# KiCad board ardumower mega shield svn.kicad_pcb
title: Ardumower shield SVN Version; date: 2021-01-07; rev: 1.4; company: ML AG JL UZ
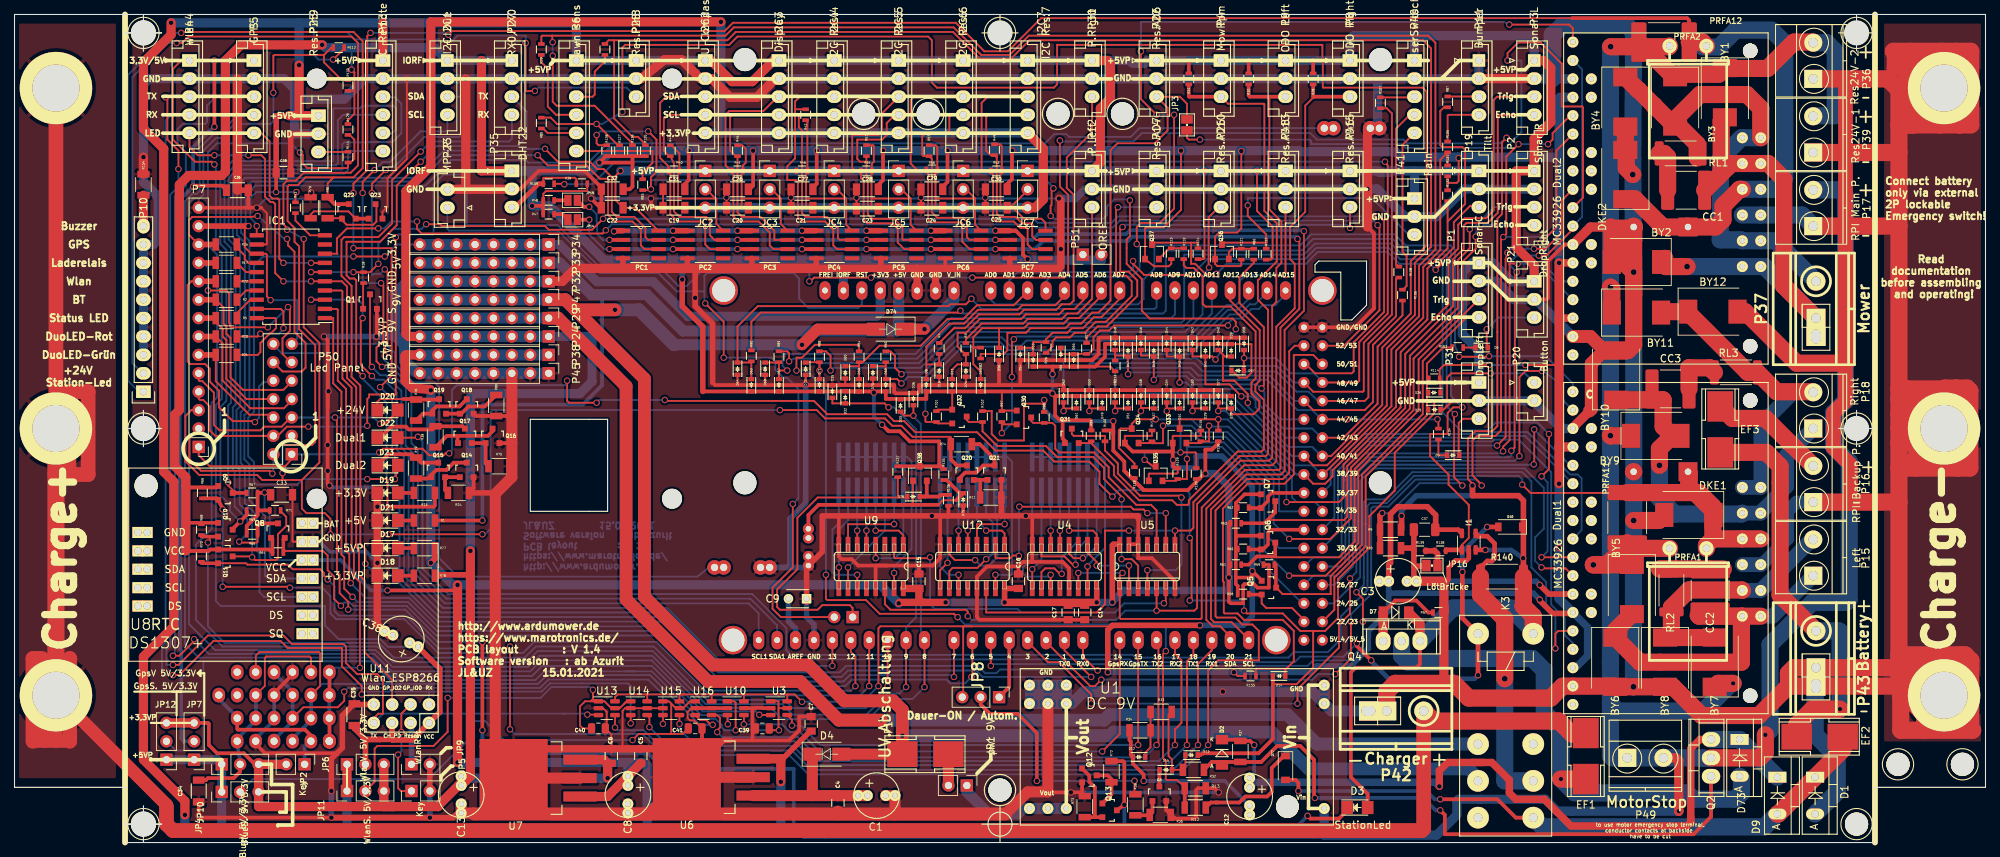
[diagram p0: board, top side]
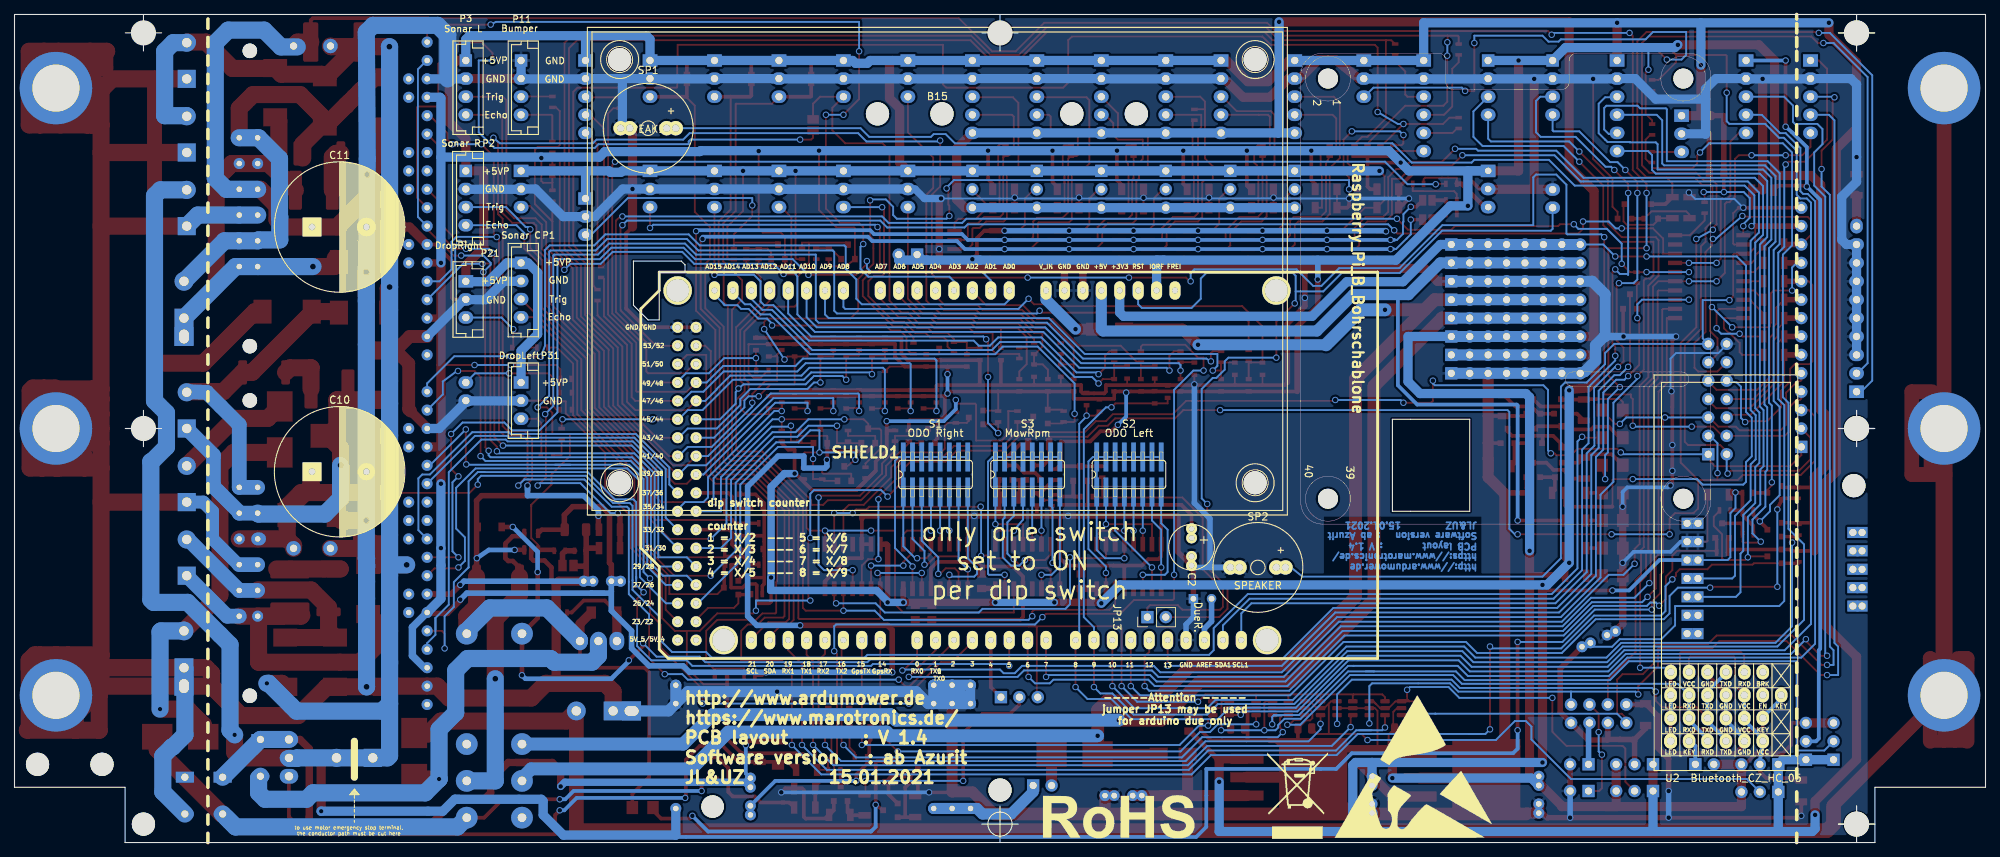
[diagram p1: board, bottom side, seen from below]

Outline 271.78 x 114.3 mm; copper layers: Top, Bottom. Coordinates in mm from the lower left corner of the outline.
Outline path: 0,114.3 271.78,114.3 271.78,7.62 256.54,7.62 256.54,0 15.24,0 15.24,7.62 0,7.62 0,114.3 ; 71.12,58.42 71.12,45.72 81.79,45.72 81.79,58.42 71.12,58.42 ; 179.32,79.76 179.83,80.26 186.44,80.26 186.44,74.17 184.4,72.14 182.88,72.14 182.88,78.74 179.32,78.74 179.32,79.76
Stack: Top 0.035mm / dielectric 1.51mm FR4 er 4.5 / Bottom 0.035mm

## Placement (name value [footprint] x y rotation side)
B1  -  [Bohrloch_3,2mm]  17.78 111.76 0 top
B2  -  [Bohrloch_3,2mm]  17.78 57.15 0 top
B3  -  [Bohrloch_3,2mm]  17.78 2.54 0 top
B4  -  [Bohrloch_3,2mm]  135.89 111.76 0 top
B5  -  [Bohrloch_3,2mm]  135.89 7.24 0 top
B6  -  [Bohrloch_3,2mm]  254 111.76 0 top
B7  -  [Bohrloch_3,2mm]  254 57.15 0 top
B8  -  [Bohrloch_3,2mm]  254 2.54 0 top
B9  -  [Bohrloch_6,5mm]  5.71 104.14 0 top
B10  -  [Bohrloch_6,5mm]  5.71 57.15 0 top
B11  -  [Bohrloch_6,5mm]  5.71 20.32 0 top
B12  -  [Bohrloch_6,5mm]  266.06 104.14 0 top
B13  -  [Bohrloch_6,5mm]  266.06 57.15 0 top
B14  -  [Bohrloch_6,5mm]  266.06 20.32 0 top
B15  -  [BumperDuino_Bohrschablone]  144.53 78.87 0 bottom
B16  Raspberry_Pi_B_Bohrschablone  [Raspberry_Pi_B_Bohrschablone_Rueckseite]  66.17 76.45 270 top
B17  -  [Bohrloch_3,2mm]  259.72 10.79 0 top
B18  -  [Bohrloch_3,2mm]  268.61 10.79 0 top
B19  -  [Bohrloch_3,2mm]  125.98 100.58 0 top
B20  -  [Bohrloch_3,2mm]  143.89 100.58 0 top
B21  -  [Bohrloch_3,2mm]  152.78 100.58 0 top
B22  -  [Bohrloch_3,2mm]  117.09 100.58 0 top
B23  Mülleimer  [WEEE-Logo_8.4x12mm_SilkScreen]  94.87 6.48 180 bottom
B24  Rohos  [RoHS-Logo_6mm_SilkScreen]  119.51 3.56 180 bottom
BY1  S5MC-13-F  [D_SMC]  235.84 103.5 270 top
BY2  S5MC-13-F  [D_SMC]  223.65 80.14 180 top
BY3  S5MC-13-F  [D_SMC]  228.98 102.23 270 top
BY4  S5MC-13-F  [D_SMC]  222.12 102.23 270 top
BY5  S5MC-13-F  [D_SMC]  223.01 34.92 270 top
BY6  S5MC-13-F  [D_SMC]  220.73 24.89 270 top
BY7  S5MC-13-F  [D_SMC]  234.44 24.89 90 top
BY8  S5MC-13-F  [D_SMC]  227.58 24.89 270 top
BY9  S5MC-13-F  [D_SMC]  226.31 56.13 0 top
BY10  S5MC-13-F  [D_SMC]  220.85 64.52 90 top
BY11  S5MC-13-F  [D_SMC]  223.65 73.15 0 top
BY12  S5MC-13-F  [D_SMC]  234.19 73.28 0 top
C1  22uF / 63V  [Elko_vert_11.2x6.3mm_RM2.5_RM5.0]  117.6 6.48 0 top
C2  47uF  [Elko_vert_11.2x6.3mm_RM2.5_RM5.0]  109.47 42.04 270 bottom
C3  10uF  [Elko_vert_11.2x6.3mm_RM2.5_RM5.0]  189.48 36.07 0 top
C4  100nF  [C_0805]  113.54 5.46 270 top
C5  100nF  [C_0805]  86.36 11.94 90 top
C6  100nF  [C_0805]  82.3 11.94 90 top
C7  100nF  [C_0805]  109.86 16.38 90 top
C8  22uF / 63V  [Elko_vert_11.2x6.3mm_RM2.5_RM5.0]  84.58 7.87 270 top
C9  100nF  [C_Disc_D3_P2.5]  109.22 33.66 180 top
C10  2200uF 63V  [C_Radial_D18_L36_P7.5]  230.76 51.18 180 bottom
C11  2200uF 63V  [C_Radial_D18_L36_P7.5]  230.76 84.96 180 bottom
C12  22uF / 63V  [Elko_vert_11.2x6.3mm_RM2.5_RM5.0]  170.31 7.62 270 top
C13  22uF / 63V  [Elko_vert_11.2x6.3mm_RM2.5_RM5.0]  61.59 7.87 270 top
C14  100nF  [C_0805]  147.57 31.75 270 top
C15  100nF  [C_0805]  124.71 36.07 90 top
C16  100nF  [C_0805]  138.43 36.07 90 top
C17  100nF  [C_0805]  145.29 31.75 270 top
C18  100nF  [C_0805]  37.08 92.46 0 top
C19  100nF  [C_1206]  90.93 87.63 180 top
C20  100nF  [C_1206]  99.69 87.63 180 top
C21  100nF  [C_1206]  108.58 87.63 180 top
C22  100nF  [C_1206]  82.42 87.63 180 top
C23  100nF  [C_1206]  117.6 87.5 180 top
C24  100nF  [C_1206]  126.49 87.63 180 top
C25  100nF  [C_1206]  135.38 87.63 180 top
C26  100nF  [C_1206]  99.69 90.17 180 top
C27  100nF  [C_1206]  108.58 90.17 180 top
C28  100nF  [C_1206]  117.6 90.17 180 top
C29  100nF  [C_1206]  126.49 90.17 180 top
C30  100nF  [C_1206]  135.38 90.17 180 top
C31  100nF  [C_1206]  90.93 90.17 180 top
C32  100nF  [C_1206]  82.42 90.17 180 top
C33  100nF  [C_1206]  36.83 48.01 0 top
C34  100nF  [C_1206]  25.4 7.11 270 top
C35  100nF  [C_1206]  46.86 17.65 90 top
C36  100nF  [C_1206]  30.73 90.04 0 top
C37  100nF  [C_1206_3216Metric]  194.44 43.18 180 top
C38  22uF / 63V  [Elko_vert_11.2x6.3mm_RM2.5_RM5.0]  54.48 27.56 155 top
C39  100nF  [C_0805_2012Metric]  103.12 15.75 180 top
C40  100nF  [C_0805_2012Metric]  80.52 15.75 0 top
C41  100nF  [C_0805_2012Metric]  93.85 15.75 0 top
CC1  SMDIF02100QA00JQ00  [C_2220_5650Metric]  230.51 90.04 180 top
CC2  SMDIF02100QA00JQ00  [C_2220_5650Metric]  233.81 34.8 90 top
CC3  SMDIF02100QA00JQ00  [C_2220_5650Metric]  228.35 62.61 0 top
D1  MBR 1045  [Diode_TO-220_Vertical]  248.29 9.02 270 top
D2  SMD ZF 15  [MiniMELF_Standard]  166.5 12.45 270 top
D3  StationLed  [LED_1206]  185.17 4.83 0 top
D4  S 1G SMD  [D_SMA_Standard]  112.01 12.19 0 top
D5  TSS0230LU  [D_0603]  198.37 53.47 180 top
D6  TSS0230LU  [D_0603]  202.31 68.33 180 top
D7  SMD ZF 15  [MiniMELF_Standard]  190.5 31.75 180 top
D8  TSS0230LU  [D_0603]  125.73 63.12 90 top
D9  MBR 1045  [Diode_TO-220_Vertical]  243.08 9.02 270 top
D10  1N4148W  [D_SOD-123]  206.25 43.56 180 top
D11  TSS0230LU  [D_0603]  129.29 63.12 90 top
D12  TSS0230LU  [D_0603]  155.07 11.81 180 top
D13  TSS0230LU  [D_0603]  162.31 12.06 180 top
D14  TSS0230LU  [D_0603]  174.37 22.99 0 top
D15  TSS0230LU  [D_0603]  158.75 10.03 0 top
D16  TSS0230LU  [D_0603]  127.51 65.15 270 top
D17  +5VP  [LED_1206]  51.44 40.64 0 top
D18  +3,3VP  [LED_1206]  51.44 36.83 0 top
D19  +3,3V  [LED_1206]  51.44 48.26 0 top
D20  +24V  [LED_1206]  51.44 59.69 0 top
D21  +5V  [LED_1206]  51.44 44.45 0 top
D22  Dual1  [LED_1206]  51.44 55.88 0 top
D23  Dual2  [LED_1206]  51.44 52.07 0 top
D24  TSS0230LU  [D_0603]  131.19 65.15 270 top
D25  TSS0230LU  [D_0603]  195.77 59.75 0 top
D26  TSS0230LU  [D_0603]  195.77 62.1 180 top
D27  TSS0230LU  [D_0603]  165.99 61.59 90 top
D28  TSS0230LU  [D_0603]  167.77 60.77 270 top
D29  TSS0230LU  [D_0603]  164.21 60.77 270 top
D30  TSS0230LU  [D_0603]  162.43 61.59 90 top
D31  TSS0230LU  [D_0603]  160.66 60.77 270 top
D32  TSS0230LU  [D_0603]  114.55 61.47 270 top
D33  TSS0230LU  [D_0603]  122.17 60.33 270 top
D34  TSS0230LU  [D_0603]  158.88 61.59 90 top
D35  TSS0230LU  [D_0603]  112.78 62.23 90 top
D36  TSS0230LU  [D_0603]  123.95 61.21 90 top
D37  TSS0230LU  [D_0603]  157.1 60.77 270 top
D38  TSS0230LU  [D_0603]  155.32 61.59 90 top
D39  TSS0230LU  [D_0603]  167.77 67.95 270 top
D40  TSS0230LU  [D_0603]  165.99 68.83 90 top
D41  TSS0230LU  [D_0603]  164.21 67.95 270 top
D42  TSS0230LU  [D_0603]  162.43 68.83 90 top
D43  TSS0230LU  [D_0603]  160.66 67.95 270 top
D44  TSS0230LU  [D_0603]  158.88 68.83 90 top
D45  TSS0230LU  [D_0603]  157.1 67.95 270 top
D46  TSS0230LU  [D_0603]  155.32 68.83 90 top
D47  TSS0230LU  [D_0603]  153.54 67.95 270 top
D48  TSS0230LU  [D_0603]  151.77 68.83 90 top
D49  TSS0230LU  [D_0603]  149.99 60.77 270 top
D50  TSS0230LU  [D_0603]  148.21 61.59 90 top
D51  TSS0230LU  [D_0603]  153.54 60.77 270 top
D52  TSS0230LU  [D_0603]  151.77 61.59 90 top
D53  TSS0230LU  [D_0603]  140.46 66.55 90 top
D54  TSS0230LU  [D_0603]  138.68 67.44 270 top
D55  TSS0230LU  [D_0603]  133.22 63.12 90 top
D56  TSS0230LU  [D_0603]  135.76 67.44 270 top
D57  TSS0230LU  [D_0603]  168.66 65.15 0 top
D58  TSS0230LU  [D_0603]  169.55 68.83 90 top
D59  TSS0230LU  [D_0603]  116.46 63.12 90 top
D60  TSS0230LU  [D_0603]  114.55 64.9 270 top
D61  TSS0230LU  [D_0603]  146.43 60.77 270 top
D62  TSS0230LU  [D_0603]  144.65 61.59 90 top
D63  TSS0230LU  [D_0603]  101.6 63.12 90 top
D64  TSS0230LU  [D_0603]  99.69 65.41 270 top
D65  TSS0230LU  [D_0603]  146.05 66.55 90 top
D66  TSS0230LU  [D_0603]  144.27 67.44 270 top
D67  TSS0230LU  [D_0603]  105.41 63.12 90 top
D68  TSS0230LU  [D_0603]  103.5 65.41 270 top
D69  TSS0230LU  [D_0603]  120.14 63.12 90 top
D70  TSS0230LU  [D_0603]  118.36 64.9 270 top
D71  TSS0230LU  [D_0603]  111 63.12 90 top
D72  TSS0230LU  [D_0603]  109.09 65.41 270 top
D73  MBR 1045  [MBR1045]  237.87 11.68 270 top
D74  S 1G SMD  [D_SMA_Standard]  120.78 70.87 180 top
D75  TSS0230LU  [D_0603]  130.81 47.37 270 top
D76  TSS0230LU  [D_0603]  123.95 47.75 180 top
D77  1N4148W  [D_SOD-123]  175.26 10.29 270 top
DKE1  SMCJ28CA VIS  [D_SMC]  230.89 45.21 180 top
DKE2  SMCJ28CA VIS  [D_SMC]  222.12 92.2 90 top
Dual1  MC33926  [MC_33926_31polig_mit_Bohrloch_neue_Masse_mit_zweite_Lochreihe]  252.73 13.97 90 top
Dual2  MC33926  [MC_33926_31polig_mit_Bohrloch_neue_Masse_mit_zweite_Lochreihe]  252.73 62.23 90 top
EF1  F_2A  [Fuse_SMD]  216.66 11.94 0 top
EF2  F_5A  [Fuse_SMD]  248.92 14.6 270 top
EF3  F_1A  [Fuse_SMD]  235.2 57.02 180 top
F1  PTC  [Fuse_SMD]  125.6 12.19 270 top
I1  INA169  [SOT-23-5]  200.53 41.53 90 top
I2C1  I2C Due  [JST_EH_B04B-EH-A_04x2.50mm_Straight]  59.69 107.95 270 top
I2C2  IMU Compas  [JST_EH_B05B-EH-A_05x2.50mm_Straight]  95.25 107.95 270 top
I2C3  Display  [JST_EH_B05B-EH-A_05x2.50mm_Straight]  105.41 107.95 270 top
I2C4  I2C Res.4  [JST_EH_B05B-EH-A_05x2.50mm_Straight]  113.03 107.95 270 top
I2C5  I2C Res.5  [JST_EH_B05B-EH-A_05x2.50mm_Straight]  121.92 107.95 270 top
I2C6  I2C Res.6  [JST_EH_B05B-EH-A_05x2.50mm_Straight]  130.81 107.95 270 top
I2C7  I2C Res.7  [JST_EH_B05B-EH-A_05x2.50mm_Straight]  139.7 107.95 270 top
IC1  UDN 2987 LWTR-6T  [SOIC-20W_7.5x12.8mm_Pitch1.27mm]  38.1 78.11 180 top
JC2  JUMPER3  [Pin_Header_Straight_1x03_Pitch2.54mm]  95.25 92.71 0 top
JC3  JUMPER3  [Pin_Header_Straight_1x03_Pitch2.54mm]  104.14 92.71 0 top
JC4  JUMPER3  [Pin_Header_Straight_1x03_Pitch2.54mm]  113.03 92.71 0 top
JC5  JUMPER3  [Pin_Header_Straight_1x03_Pitch2.54mm]  121.92 92.71 0 top
JC6  JUMPER3  [Pin_Header_Straight_1x03_Pitch2.54mm]  130.81 92.71 0 top
JC7  JUMPER3  [Pin_Header_Straight_1x03_Pitch2.54mm]  139.7 92.71 0 top
JP1  pwr 9V  [Pin_Header_Straight_1x02_Pitch2.54mm]  131.32 7.87 270 top
JP2  Key  [Pin_Header_Straight_1x02_Pitch2.54mm]  40 10.79 270 top
JP3  M1FB  [SJ]  161.67 99.06 270 top
JP4  BlueV 5V/3.3V  [Pin_Header_Straight_1x03_Pitch2.54mm]  28.57 10.79 90 top
JP5  Key  [Pin_Header_Straight_1x02_Pitch2.54mm]  54.74 7.11 90 top
JP6  WlanV. 5V/3.3V  [Pin_Header_Straight_1x03_Pitch2.54mm]  45.85 10.79 90 top
JP7  GpsV 5V/3.3V  [Pin_Header_Straight_1x03_Pitch2.54mm]  24.77 11.43 180 top
JP8  UV.Abschaltung  [Pin_Header_Straight_1x03_Pitch2.54mm]  135.76 20.07 270 top
JP9  WlanRst  [Pin_Header_Straight_1x02_Pitch2.54mm]  54.74 10.79 90 top
JP10  BlueS. 5V/3.3V  [Pin_Header_Straight_1x03_Pitch2.54mm]  28.57 6.99 90 top
JP11  WlanS. 5V/3.3V  [Pin_Header_Straight_1x03_Pitch2.54mm]  45.85 7.11 90 top
JP12  GpsS. 5V/3.3V  [Pin_Header_Straight_1x03_Pitch2.54mm]  20.96 11.43 180 top
JP13  DueR.  [Pin_Header_Straight_1x02_Pitch2.54mm]  115.57 31.11 90 bottom
JP14  Jumper_NC_Small  [SolderJumper-2_P1.3mm_Open_Pad1.0x1.5mm]  76.96 85.98 180 top
JP15  Jumper_NC_Small  [SolderJumper-2_P1.3mm_Open_Pad1.0x1.5mm]  76.96 88.65 180 top
JP16  5A  [SJ]  195.45 38.23 180 top
K3  RELAY_2RT  [Relais_DPDT_Schrack-RT2_RM5mm_3D_Kontaktbelegung_geändert_FIN40.52.9_6V]  201.8 28.83 270 top
P1  Sonar C  [JST_EH_B04B-EH-A_04x2.50mm_Straight]  201.93 80.01 270 top
P2  Sonar R  [JST_EH_B04B-EH-A_04x2.50mm_Straight]  209.55 92.71 270 top
P3  Sonar L  [JST_EH_B04B-EH-A_04x2.50mm_Straight]  209.55 107.95 270 top
P4  MowRpm  [JST_EH_B03B-EH-A_03x2.50mm_Straight]  166.37 107.95 270 top
P5  GPS  [JST_EH_B05B-EH-A_05x2.50mm_Straight]  33.02 107.95 270 top
P6  Lawn sens  [JST_EH_B06B-EH-A_06x2.50mm_Straight]  77.47 107.95 270 top
P7  Status LEDs  [Socket_Strip_Straight_1x14_Pitch2.54mm]  25.4 54.61 180 top
P8  ODO Right  [JST_EH_B03B-EH-A_03x2.50mm_Straight]  184.15 107.95 270 top
P9  ODO Left  [JST_EH_B03B-EH-A_03x2.50mm_Straight]  175.26 107.95 270 top
P10  Status LEDs GND  [Socket_Strip_Straight_1x10_Led_Bargraph_Anzeige]  17.78 62.23 90 top
P11  Bumper  [JST_EH_B04B-EH-A_04x2.50mm_Straight]  201.93 107.95 270 top
P12  P.Left  [JST_EH_B03B-EH-A_03x2.50mm_Straight]  148.59 92.71 270 top
P13  RC Remote  [JST_EH_B06B-EH-A_06x2.50mm_Straight]  50.8 107.95 270 top
P14  Res.AD7  [JST_EH_B03B-EH-A_03x2.50mm_Straight]  157.48 92.71 270 top
P15  Left  [TerminalBlock_Pheonix_MKDS1.5-2pol]  248.03 36.83 90 top
P16  RPI Backup P.  [TerminalBlock_Pheonix_MKDS1.5-2pol]  248.03 46.99 90 top
P17  RPI Main P.  [TerminalBlock_Pheonix_MKDS1.5-2pol]  248.03 85.09 90 top
P18  Right  [TerminalBlock_Pheonix_MKDS1.5-2pol]  248.03 57.15 90 top
P19  Tilt  [JST_EH_B03B-EH-A_03x2.50mm_Straight]  201.93 92.71 270 top
P20  Button  [JST_EH_B02B-EH-A_02x2.50mm_Straight]  209.55 63.5 270 top
P21  DropRight  [JST_EH_B03B-EH-A_03x2.50mm_Straight]  209.55 77.47 270 top
P22  Res.AD6  [JST_EH_B03B-EH-A_03x2.50mm_Straight]  157.48 107.95 270 top
P23  MP-R  [JST_EH_B02B-EH-A_02x2.50mm_Straight]  59.69 87.63 90 top
P24  +3.3VP  [Pin_Header_Straight_1x08_Pitch2.54mm]  73.66 69.85 270 top
P25  Res.Pin9  [JST_EH_B03B-EH-A_03x2.50mm_Straight]  41.91 100.33 270 top
P26  Res.AD10  [JST_EH_B03B-EH-A_03x2.50mm_Straight]  166.37 92.71 270 top
P27  RX0/TX0  [JST_EH_B04B-EH-A_04x2.50mm_Straight]  68.58 107.95 270 top
P28  Res.Pin8  [JST_EH_B03B-EH-A_03x2.50mm_Straight]  85.72 107.95 270 top
P29  9V S.  [Pin_Header_Straight_1x08_Pitch2.54mm]  73.66 72.39 270 top
P30  P.Right  [JST_EH_B03B-EH-A_03x2.50mm_Straight]  148.59 107.95 270 top
P31  DropLeft  [JST_EH_B03B-EH-A_03x2.50mm_Straight]  201.93 63.5 270 top
P32  GND  [Pin_Header_Straight_1x08_Pitch2.54mm]  73.66 77.47 270 top
P33  5V  [Pin_Header_Straight_1x08_Pitch2.54mm]  73.66 80.01 270 top
P34  3,3V  [Pin_Header_Straight_1x08_Pitch2.54mm]  73.66 82.55 270 top
P35  DHT22  [JST_EH_B03B-EH-A_03x2.50mm_Straight]  68.58 92.71 270 top
P36  Res24V-2  [TerminalBlock_Pheonix_MKDS1.5-2pol]  248.03 105.41 90 top
P37  Mower  [Anschlussklemme_RM5,08-RM7,62]  248.41 73.66 90 top
P38  +5VP  [Pin_Header_Straight_1x08_Pitch2.54mm]  73.66 67.31 270 top
P39  Res24V-1  [TerminalBlock_Pheonix_MKDS1.5-2pol]  248.03 95.25 90 top
P40  UserSwitsch  [JST_EH_B05B-EH-A_05x2.50mm_Straight]  193.04 107.95 270 top
P41  Rain  [JST_EH_B03B-EH-A_03x2.50mm_Straight]  193.04 88.9 270 top
P42  Charger  [Anschlussklemme_RM5,08-RM7,62]  190.5 18.16 0 top
P43  Battery  [Anschlussklemme_RM5,08-RM7,62]  248.41 25.4 90 top
P44  Wlan  [JST_EH_B05B-EH-A_05x2.50mm_Straight]  24.13 107.95 270 top
P45  GND  [Pin_Header_Straight_1x08_Pitch2.54mm]  73.66 64.77 270 top
P46  Res.AD15  [JST_EH_B03B-EH-A_03x2.50mm_Straight]  184.15 92.71 270 top
P47  9V  [Pin_Header_Straight_1x08_Pitch2.54mm]  73.66 74.93 270 top
P48  Res.AD13  [JST_EH_B03B-EH-A_03x2.50mm_Straight]  175.26 92.71 270 top
P49  MotorStop  [TerminalBlock_Pheonix_MKDS1.5-2pol]  222.38 11.68 0 top
P50  Led Panel  [Pin_Header_Straight_2x07_Pitch2.54mm]  38.23 53.59 180 top
P51  IOREF  [Socket_Strip_Straight_1x02_Pitch2.54mm]  147.32 81.15 90 top
PC1  PCA9517D  [SOIC127P600X175-8N]  86.36 82.55 0 top
PC2  PCA9517D  [SOIC127P600X175-8N]  95.25 82.55 0 top
PC3  PCA9517D  [SOIC127P600X175-8N]  104.14 82.55 0 top
PC4  PCA9517D  [SOIC127P600X175-8N]  113.03 82.55 0 top
PC5  PCA9517D  [SOIC127P600X175-8N]  121.92 82.55 0 top
PC6  PCA9517D  [SOIC127P600X175-8N]  130.81 82.55 0 top
PC7  PCA9517D  [SOIC127P600X175-8N]  139.7 82.55 0 top
PRFA1  PFRA 500  [PRFA_500]  230.76 32.77 180 top
PRFA2  PFRA 500  [PRFA_500]  230.76 102.11 180 top
PRFA11  2920L500/24SLDR  [Fuse_2920_7451Metric_Pad2.10x5.45mm_HandSolder]  222.38 44.83 270 top
PRFA12  2920L500/24SLDR  [Fuse_2920_7451Metric_Pad2.10x5.45mm_HandSolder]  227.46 110.49 180 top
Q1  BC847B  [SOT-23]  49.02 74.68 0 top
Q2  IRF9540N  [TO-220]  233.93 11.68 90 top
Q3  BC817  [SOT-23]  157.86 6.73 0 top
Q4  IRF9540N  [TO-220]  191.26 27.81 0 top
Q5  BSS138  [SOT-23]  172.97 35.18 270 top
Q6  BSS138  [SOT-23]  172.85 41.4 270 top
Q7  BSS138  [SOT-23]  172.85 47.12 270 top
Q8  BSS138  [SOT-23]  36.32 43.05 0 top
Q9  BSS138  [SOT-23]  29.08 48.26 270 top
Q10  BSS138  [SOT-23]  29.08 43.18 270 top
Q11  BSS138  [SOT-23]  29.08 39.5 270 top
Q12  BC817  [SOT-23]  148.21 9.27 270 top
Q13  BC817  [SOT-23]  151 4.44 270 top
Q14  BC817  [SOT-23]  62.36 51.44 0 top
Q15  BC817  [SOT-23]  58.42 51.44 0 top
Q16  BC817  [SOT-23]  65.91 56.13 0 top
Q17  BC817  [SOT-23]  62.1 56.13 0 top
Q18  BC817  [SOT-23]  62.36 60.2 0 top
Q19  BC817  [SOT-23]  58.55 60.2 0 top
Q20  BC817  [SOT-23]  131.32 51.05 0 top
Q21  BC817  [SOT-23]  135.13 51.05 0 top
Q22  BC817  [SOT-23]  46.1 87.12 0 top
Q23  BC817  [SOT-23]  49.78 87.12 0 top
Q30  BSS138  [SOT-23]  139.19 58.67 270 top
Q31  BSS138  [SOT-23]  145.8 56.13 0 top
Q32  BSS138  [SOT-23]  130.3 58.8 270 top
Q33  BSS138  [SOT-23#2]  160.66 56.13 90 top
Q34  BSS138  [SOT-23#2]  154.05 56.13 90 top
Q35  BSS138  [SOT-23#2]  157.35 50.93 90 top
Q36  BSS138  [SOT-23#2]  166.5 81.53 90 top
Q37  BSS138  [SOT-23#2]  156.84 81.53 90 top
Q38  BC847B  [SOT-23#2]  124.84 50.93 90 top
R1  220R  [R_1206]  56.52 44.45 180 top
R2  220R  [R_1206]  29.21 74.93 180 top
R3  300R  [R_0603]  131.19 68.2 270 top
R4  300R  [R_0603]  127.51 68.2 270 top
R5  220R  [R_1206]  29.21 72.39 180 top
R9  100K 0,1%  [R_1206]  189.74 43.18 180 top
R10  10K 0,1%  [R_1206]  189.74 40.64 0 top
R11  68R  [R_1206]  134.62 47.62 0 top
R12  100K 0,1%  [R_1206]  162.81 4.83 180 top
R13  10K 0,1%  [R_1206]  162.81 7.49 0 top
R17  220R  [R_1206]  29.21 80.01 180 top
R18  2k2  [R_0603]  48.13 77.98 270 top
R19  8K2  [R_1206]  55.37 51.69 270 top
R20  220R  [R_1206]  29.21 69.85 180 top
R21  220R  [R_1206]  29.21 67.31 180 top
R22  220R  [R_1206]  29.21 77.47 180 top
R23  100R  [R_1206]  56.52 48.26 180 top
R24  180R  [R_1206]  61.21 48.26 0 top
R25  220R  [R_1206]  29.21 82.55 180 top
R26  300R  [R_0603]  142.24 68.33 90 top
R27  300R  [R_0603]  147.83 68.2 270 top
R28  4K7  [R_0603]  179.07 105.41 90 top
R29  300R  [R_0603]  72.64 109.47 90 top
R30  4K7  [R_0603]  170.18 105.41 90 top
R31  4K7  [R_0603]  161.93 105.41 270 top
R32  1K  [R_1206]  162.56 10.03 0 top
R33  100R  [R_1206]  158.12 18.03 0 top
R34  10K  [R_1206]  155.19 15.49 0 top
R35  10K  [R_1206]  157.99 3.81 0 top
R36  30K  [R_1206]  154.56 5.21 90 top
R37  100K  [R_1206]  169.04 12.57 270 top
R38  8K2  [R_1206]  58.04 56.01 270 top
R39  10K  [R_0603]  78.23 90.93 180 top
R40  XXXX  [R_0603]  90.93 92.71 180 top
R41  XXXX  [R_0603]  99.69 92.71 180 top
R42  10K  [R_0603]  109.09 100.46 90 top
R43  2k2  [R_0603]  38.73 87.63 270 top
R44  XXXX  [R_0603]  90.42 95.5 270 top
R45  XXXX  [R_0603]  99.69 95.5 270 top
R46  10K  [R_0603]  108.58 92.71 180 top
R47  4,7K  [R_0603]  73.66 86.74 0 top
R48  4,7K  [R_0603]  73.66 88.65 0 top
R49  10K  [R_0603]  135.13 95.63 270 top
R50  300R  [R_0603]  120.14 67.06 270 top
R51  10K  [R_0603]  117.48 95.5 270 top
R52  10K  [R_0603]  126.11 95.5 270 top
R53  10K  [R_0603]  135.38 92.71 180 top
R54  300R  [R_0603]  81.41 109.47 90 top
R55  10K  [R_0603]  117.48 92.71 180 top
R56  10K  [R_0603]  126.49 92.84 180 top
R57  100K  [R_0603]  196.34 31.75 0 top
R58  10K  [R_0603]  169.42 34.29 0 top
R59  10K  [R_0603]  172.97 38.35 0 top
R60  10K  [R_0603]  169.42 40.51 0 top
R61  10K  [R_0603]  168.4 38.35 0 top
R62  10K  [R_0603]  169.42 46.23 0 top
R63  10K  [R_0603]  168.4 44.07 0 top
R64  10K  [R_0603]  36.32 40 0 top
R65  10K  [R_0603]  32.77 42.55 0 top
R66  10K  [R_0603]  25.91 48.26 270 top
R67  10K  [R_0603]  32.77 48.26 180 top
R68  10K  [R_0603]  25.78 43.18 270 top
R69  10K  [R_0603]  32.77 45.85 180 top
R70  10K  [R_0603]  25.78 39.5 270 top
R71  10K  [R_0603]  35.94 45.85 0 top
R72  8K2  [R_1206]  151.26 9.78 270 top
R73  68R  [R_1206]  147.57 4.95 90 top
R74  8K2  [R_1206]  130.56 54.99 0 top
R75  180R  [R_1206]  66.8 51.94 0 top
R76  8K2  [R_1206]  55.37 59.69 270 top
R77  220R  [R_1206]  56.52 40.64 180 top
R78  100R  [R_1206]  56.52 36.83 180 top
R79  68R  [R_1206]  40.83 87.63 90 top
R80  180R  [R_1206]  66.42 60.33 270 top
R81  8K2  [R_1206]  43.18 87.63 270 top
R82  300R  [R_0603]  133.22 67.56 90 top
R83  300R  [R_0603]  86.61 90.81 270 top
R84  300R  [R_0603]  116.46 67.06 270 top
R85  300R  [R_0603]  72.64 99.31 90 top
R86  300R  [R_0603]  170.88 81.22 270 top
R87  300R  [R_0603]  197.61 102.23 270 top
R88  300R  [R_0603]  111 67.06 270 top
R89  300R  [R_0603]  105.41 67.06 270 top
R90  300R  [R_0603]  101.6 67.18 270 top
R97  10K  [R_0603]  136.14 58.8 270 top
R98  10K  [R_0603]  141.99 58.67 270 top
R99  10K  [R_0603]  148.46 56.13 270 top
R100  10K  [R_0603]  150.37 56.13 270 top
R101  10K  [R_0603]  127.13 58.8 270 top
R102  10K  [R_0603]  133.48 58.8 270 top
R103  300R  [R_0603]  199.01 68.33 180 top
R104  300R  [R_0603]  196.34 56.39 90 top
R105  300R  [R_0603]  197.61 96.01 270 top
R106  300R  [R_0603]  191.39 75.56 270 top
R107  300R  [R_0603]  188.34 102.11 270 top
R108  300R  [R_0603]  190.88 78.74 270 top
R109  300R  [R_0603]  73.66 90.93 0 top
R110  300R  [R_0603]  161.23 81.28 270 top
R111  300R  [R_0603]  45.97 94.62 270 top
R112  300R  [R_0603]  44.7 109.73 180 top
R113  10K  [R_0603]  151.77 65.79 270 top
R114  10K  [R_0603]  195.77 64.01 0 top
R115  10K  [R_0603]  163.58 56.13 270 top
R116  10K  [R_0603]  165.99 56.13 90 top
R117  10K  [R_0603]  156.84 56.13 270 top
R118  10K  [R_0603]  154.43 51.05 90 top
R119  10K  [R_0603]  160.4 50.93 270 top
R120  10K  [R_0603]  162.94 50.93 90 top
R121  10K  [R_0603]  169.16 81.22 90 top
R122  10K  [R_0603]  172.59 81.22 90 top
R123  10K  [R_0603]  159.51 81.28 90 top
R124  10K  [R_0603]  163.2 81.28 90 top
R125  XXXX  [R_0603]  86.99 95.5 270 top
R126  XXXX  [R_0603]  85.22 95.5 270 top
R127  XXXX  [R_0603]  83.44 95.5 270 top